# KiCad board madeline36.kicad_pcb
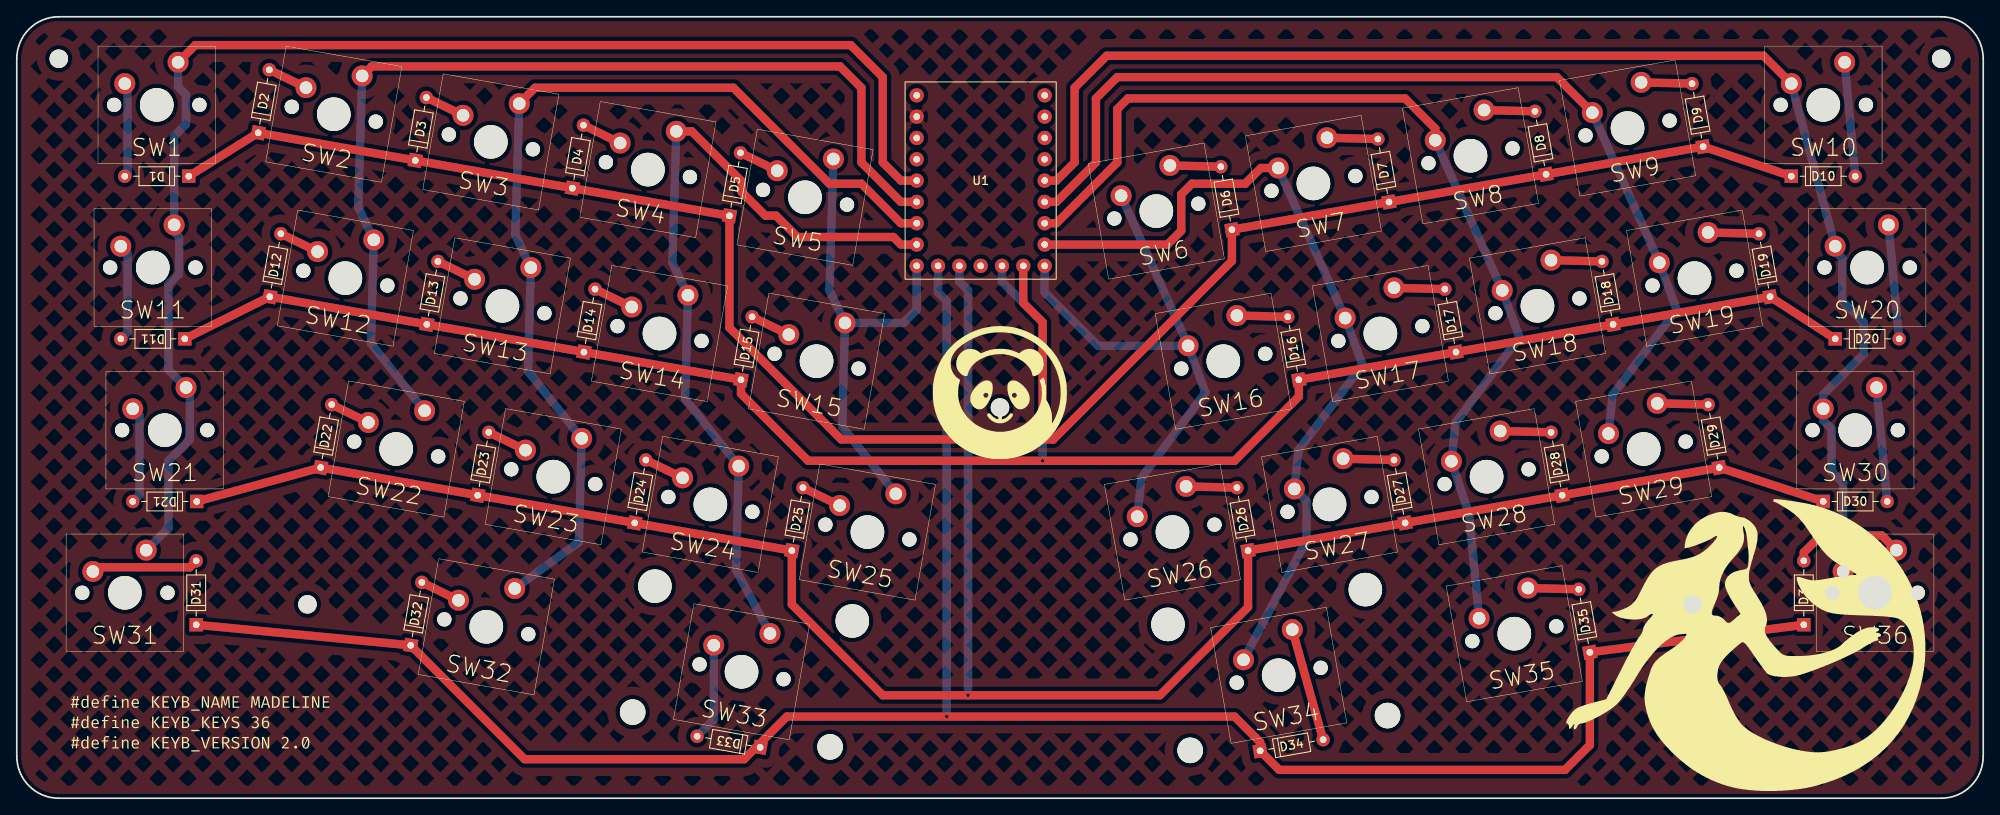
[diagram p0: board, top side]
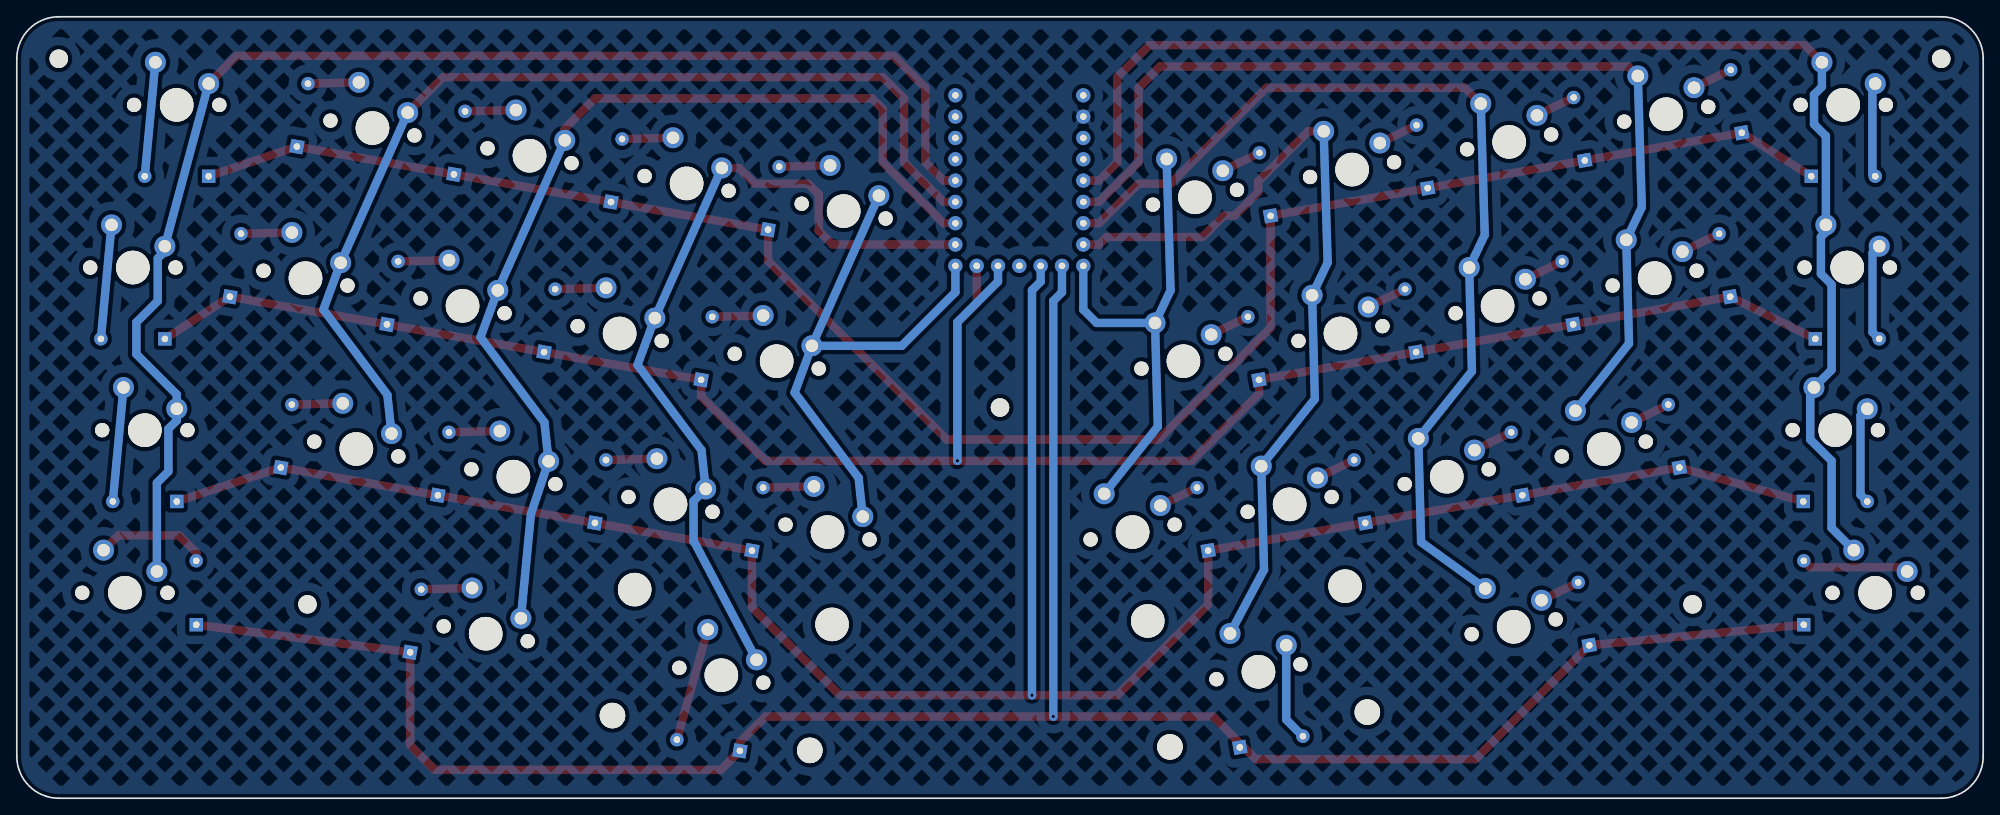
[diagram p1: board, bottom side, seen from below]

Outline 234.25 x 93.12 mm; copper layers: Top, Bottom. Coordinates in mm from the lower left corner of the outline.
Outline path: 0,88.12 0,5 arc(1.46,1.46) 5,0 229.25,0 arc(232.79,1.46) 234.25,5 234.25,88.12 arc(232.79,91.66) 229.25,93.12 5,93.12 arc(1.46,91.66) 0,88.12
Stack: Top 0.035mm / dielectric 1.51mm FR4 er 4.5 / Bottom 0.035mm

## Placement (name value [footprint] x y rotation side)
D1  -  [Diode]  20.48 74.12 180 top
D2  -  [Diode]  28.76 79.3 80 top
D3  -  [Diode]  47.47 76 80 top
D4  -  [Diode]  66.18 72.7 80 top
D5  -  [Diode]  84.89 69.4 80 top
D6  -  [Diode]  144.75 67.75 100 top
D7  -  [Diode]  163.46 71.05 100 top
D8  -  [Diode]  182.17 74.35 100 top
D9  -  [Diode]  200.89 77.65 100 top
D10  -  [Diode]  211.39 74.12 0 top
D11  -  [Diode]  20.01 54.74 180 top
D12  -  [Diode]  30.14 59.76 80 top
D13  -  [Diode]  48.85 56.46 80 top
D14  -  [Diode]  67.56 53.16 80 top
D15  -  [Diode]  86.27 49.86 80 top
D16  -  [Diode]  152.73 49.86 100 top
D17  -  [Diode]  171.44 53.16 100 top
D18  -  [Diode]  190.15 56.46 100 top
D19  -  [Diode]  208.86 59.76 100 top
D20  -  [Diode]  216.62 54.74 0 top
D21  -  [Diode]  21.44 35.36 180 top
D22  -  [Diode]  36.19 39.4 80 top
D23  -  [Diode]  54.9 36.1 80 top
D24  -  [Diode]  73.62 32.8 80 top
D25  -  [Diode]  92.33 29.5 80 top
D26  -  [Diode]  146.67 29.5 100 top
D27  -  [Diode]  165.38 32.8 100 top
D28  -  [Diode]  184.1 36.1 100 top
D29  -  [Diode]  202.81 39.4 100 top
D30  -  [Diode]  215.19 35.36 0 top
D31  -  [Diode]  21.38 20.67 90 top
D32  -  [Diode]  46.93 18.22 80 top
D33  -  [Diode]  88.55 6.06 170 top
D34  -  [Diode]  148.11 5.65 10 top
D35  -  [Diode]  187.39 17.39 100 top
D36  -  [Diode]  212.88 20.67 90 top
H1  MountingHole  [MountingHole_2.2mm_M2]  34.62 23.1 0 top
H2  MountingHole  [MountingHole_2.2mm_M2]  199.62 23.1 0 top
H3  MountingHole  [MountingHole_2.2mm_M2]  5 88.12 0 top
H4  MountingHole  [MountingHole_2.2mm_M2]  117.12 46.56 0 top
H5  MountingHole  [MountingHole_2.2mm_M2]  229.25 88.12 0 top
SW1  key  [MX-5pin]  16.67 82.62 0 top
SW2  key  [MX-5pin]  37.76 81.51 350 top
SW3  key  [MX-5pin]  56.47 78.21 350 top
SW4  key  [MX-5pin]  75.18 74.91 350 top
SW5  key  [MX-5pin]  93.9 71.61 350 top
SW6  key  [MX-5pin]  135.75 69.96 10 top
SW7  key  [MX-5pin]  154.46 73.26 10 top
SW8  key  [MX-5pin]  173.17 76.56 10 top
SW9  key  [MX-5pin]  191.88 79.86 10 top
SW10  key  [MX-5pin]  215.2 82.62 0 top
SW11  key  [MX-5pin]  16.2 63.24 0 top
SW12  key  [MX-5pin]  39.14 61.98 350 top
SW13  key  [MX-5pin]  57.85 58.68 350 top
SW14  key  [MX-5pin]  76.56 55.38 350 top
SW15  key  [MX-5pin]  95.27 52.08 350 top
SW16  key  [MX-5pin]  143.73 52.08 10 top
SW17  key  [MX-5pin]  162.44 55.38 10 top
SW18  key  [MX-5pin]  181.15 58.68 10 top
SW19  key  [MX-5pin]  199.86 61.98 10 top
SW20  key  [MX-5pin]  220.43 63.24 0 top
SW21  key  [MX-5pin]  17.62 43.86 0 top
SW22  key  [MX-5pin]  45.2 41.61 350 top
SW23  key  [MX-5pin]  63.91 38.32 350 top
SW24  key  [MX-5pin]  82.62 35.02 350 top
SW25  key  [MX-5pin]  101.33 31.72 350 top
SW26  key  [MX-5pin]  137.67 31.72 10 top
SW27  key  [MX-5pin]  156.38 35.02 10 top
SW28  key  [MX-5pin]  175.09 38.32 10 top
SW29  key  [MX-5pin]  193.8 41.61 10 top
SW30  key  [MX-5pin]  219 43.86 0 top
SW31  key  [MX-5pin]  12.88 24.48 0 top
SW32  key  [MX-5pin]  55.93 20.43 350 top
SW33  key  [MX-5pin_stab_rev]  86.34 15.07 350 top
SW34  key  [MX-5pin_stab_rev]  150.32 14.65 10 top
SW35  key  [MX-5pin]  178.39 19.6 10 top
SW36  key  [MX-5pin]  221.38 24.48 0 top
U1  -  [RP2040]  114.82 73.6 0 top

## Library data of the parts
D1-D3 D6 D8 D10 D12 D15-D18 D20-D22 D27 D29 D31 D32 D34 D36 = -: Field4: K; Field5: K
D4 D5 D7 D9 D11 D13 D14 D19 D23-D26 D28 D30 D33 D35 = -: Field4: K; Field6: K

## Footprints (pads in the part's own frame, mm; a bottom-side part is the same pattern mirrored in y, then rotated)
Diode
  rect 1.6x1.6 hole 0.8: 1(0,0)
  oval 1.6x1.6 hole 0.8: 2(7.62,0)
MountingHole_2.2mm_M2
  round 2.2 hole 2.2 unplated: (0,0)
MX-5pin
  round 1.7 hole 1.7 unplated: (-5.08,0) (5.08,0)
  round 4 hole 4 unplated: (0,0)
  round 2.5 hole 1.5: 1(2.54,5.08) 2(-3.81,2.54)
MX-5pin_stab_rev
  round 3.988 hole 3.988 unplated: (-11.938,8.255) (11.938,8.255)
  round 3.048 hole 3.048 unplated: (-11.938,-6.985) (11.938,-6.985)
  round 1.7 hole 1.7 unplated: (-5.08,0) (5.08,0)
  round 4 hole 4 unplated: (0,0)
  round 2.5 hole 1.5: 1(2.54,5.08) 2(-3.81,2.54)
RP2040
  round 1.7 hole 0.8: 0(7.62,10.16) 1(7.62,7.62) 2(7.62,5.08) 3(7.62,2.54) 4(7.62,0) 5(7.62,-2.54) 6(7.62,-5.08) 7(7.62,-7.62) 8(7.62,-10.16) 9(5.08,-10.16) 10(2.54,-10.16) 11(0,-10.16) 12(-2.54,-10.16) 13(-5.08,-10.16) 14(-7.62,-10.16) 15(-7.62,-7.62) 16(-7.62,-5.08) 17(-7.62,-2.54) 18(-7.62,0) 19(-7.62,2.54) 20(-7.62,5.08) 21(-7.62,7.62) 22(-7.62,10.16)

## Nets
GND: U1.21
c0: SW1.1 SW11.1 SW21.1 SW31.1 U1.18
c1: SW2.1 SW12.1 SW22.1 U1.17
c2: SW3.1 SW13.1 SW23.1 SW32.1 U1.16
c3: SW4.1 SW14.1 SW24.1 SW33.1 U1.15
c4: SW5.1 SW15.1 SW25.1 U1.14
c5: SW6.2 SW16.2 SW26.2 U1.8
c6: SW7.2 SW17.2 SW27.2 SW34.2 U1.7
c7: SW8.2 SW18.2 SW28.2 SW35.2 U1.6
c8: SW9.2 SW19.2 SW29.2 U1.5
c9: SW10.2 SW20.2 SW30.2 SW36.2 U1.4
l0: D31.1 D32.1 D33.1 D34.1 D35.1 D36.1 U1.13
l1: D21.1 D22.1 D23.1 D24.1 D25.1 D26.1 D27.1 D28.1 D29.1 D30.1 U1.12
l2: D11.1 D12.1 D13.1 D14.1 D15.1 D16.1 D17.1 D18.1 D19.1 D20.1 U1.10
l3: D1.1 D2.1 D3.1 D4.1 D5.1 D6.1 D7.1 D8.1 D9.1 D10.1 U1.9
Net-(D1-Pad2): D1.2 SW1.2
Net-(D2-Pad2): D2.2 SW2.2
Net-(D3-Pad2): D3.2 SW3.2
Net-(D4-Pad2): D4.2 SW4.2
Net-(D5-Pad2): D5.2 SW5.2
Net-(D6-Pad2): D6.2 SW6.1
Net-(D7-Pad2): D7.2 SW7.1
Net-(D8-Pad2): D8.2 SW8.1
Net-(D9-Pad2): D9.2 SW9.1
Net-(D10-Pad2): D10.2 SW10.1
Net-(D11-Pad2): D11.2 SW11.2
Net-(D12-Pad2): D12.2 SW12.2
Net-(D13-Pad2): D13.2 SW13.2
Net-(D14-Pad2): D14.2 SW14.2
Net-(D15-Pad2): D15.2 SW15.2
Net-(D16-Pad2): D16.2 SW16.1
Net-(D17-Pad2): D17.2 SW17.1
Net-(D18-Pad2): D18.2 SW18.1
Net-(D19-Pad2): D19.2 SW19.1
Net-(D20-Pad2): D20.2 SW20.1
Net-(D21-Pad2): D21.2 SW21.2
Net-(D22-Pad2): D22.2 SW22.2
Net-(D23-Pad2): D23.2 SW23.2
Net-(D24-Pad2): D24.2 SW24.2
Net-(D25-Pad2): D25.2 SW25.2
Net-(D26-Pad2): D26.2 SW26.1
Net-(D27-Pad2): D27.2 SW27.1
Net-(D28-Pad2): D28.2 SW28.1
Net-(D29-Pad2): D29.2 SW29.1
Net-(D30-Pad2): D30.2 SW30.1
Net-(D31-Pad2): D31.2 SW31.2
Net-(D32-Pad2): D32.2 SW32.2
Net-(D33-Pad2): D33.2 SW33.2
Net-(D34-Pad2): D34.2 SW34.1
Net-(D35-Pad2): D35.2 SW35.1
Net-(D36-Pad2): D36.2 SW36.1

Pads without a net: U1 0 1 2 3 11 19 20 22

## Via types
v1: diameter 1, hole 0.4, Top to Bottom, 3 vias

## Routing (per net, layer and track width the routed paths; a pad name or vN(x,y) marks a point on that pad's centre or on a via; arc(x,y) is an arc through that point)
c0: length 163.9
  Top w1: SW1.1 21.25,89.74 99.34,89.74 103.16,85.93 103.16,75.77 105.32,73.6 U1.18
  Bottom w1: SW1.1 19.22,84.78 20.15,83.84 20.15,80.32 18.74,78.91 SW11.1 18.74,67.48 19.34,66.88 19.34,62.49 18.06,61.22 18.06,51.04 SW21.1 ; SW31.1 18.06,32.21 18.06,40.21 20.6,42.75 20.6,47.83 20.16,48.27
c1: length 121
  Top w1: SW2.1 42.27,87.2 98.07,87.2 100.62,84.66 100.62,75.77 105.32,71.06 U1.17
  Bottom w1: SW22.1 42.19,54.18 SW12.1 40.67,70.43 SW2.1
c2: length 119.2
  Top w1: U1.16 105.32,68.52 100.62,73.23 96.81,73.23 85.38,84.66 61.74,84.66 SW3.1
  Bottom w1: SW32.1 66.96,30.52 SW23.1 60.91,50.88 SW13.1 59.38,67.13 SW3.1
c3: length 98.5
  Top w1: U1.15 105.32,65.98 104.43,66.88 93,66.88 90.45,69.42 89.19,69.42 86.36,72.24 86.36,73.51 80.4,79.47 SW4.1
  Bottom w1: SW4.1 78.09,63.83 SW14.1 79.62,47.58 SW24.1 85.67,27.22 SW33.1
c4: length 57
  Bottom w1: SW5.1 96.81,60.53 SW15.1 ; SW15.1 98.33,44.28 SW25.1 ; SW15.1 105.61,56.64 107.2,58.23 U1.14
c5: length 65.8
  Bottom w1: SW16.2 128.82,53.92 122.44,60.29 U1.8 ; SW16.2 141.59,48.34 133.97,38.18 SW26.2 ; SW16.2 SW6.2
c6: length 99.9
  Top w1: SW7.2 148.21,75.1 146.34,73.23 139.99,73.23 138.72,71.96 138.72,67.62 137.07,65.98 U1.7
  Bottom w1: SW7.2 SW17.2 160.31,51.64 152.69,41.48 SW27.2 153.63,35.41 153.63,30.6 153.52,30.49 SW34.2
c7: length 121.3
  Top w1: SW8.2 168.98,79.8 165.38,83.39 132.37,83.39 131.09,82.12 131.09,75.77 123.85,68.52 U1.6
  Bottom w1: SW35.2 173,33.86 SW28.2 171.4,44.78 179.02,54.94 SW18.2 SW8.2
c8: length 120.5
  Top w1: SW9.2 183.46,85.93 131.09,85.93 128.56,83.39 128.56,75.77 123.85,71.06 U1.5
  Bottom w1: SW29.2 190.11,48.08 197.73,58.24 SW19.2 SW9.2
c9: length 164.4
  Top w1: U1.4 123.85,73.6 126.01,75.77 126.01,84.66 129.82,88.47 208.08,88.47 SW10.2
  Bottom w1: 216.95,65.45 216.95,64.85 217.46,64.34 217.46,59.26 220,56.72 220,52.91 215.19,48.11 SW30.2 215.19,45.02 216.19,44.02 216.19,38.94 217.56,37.56 SW36.2 ; SW10.2 SW20.2
l0: length 269.5
  Top w1: D36.1 D35.1 187.39,6.34 184.44,3.38 150.38,3.38 D34.1 148.11,6.68 145.06,9.73 91.72,9.73 88.55,6.56 D33.1 88.06,6.06 86.64,4.65 60.49,4.65 D32.1 D31.1
  Bottom w1: U1.13 109.74,60.29 110.78,59.26 v1(110.78,9.73)
l1: length 270.2
  Top w1: D21.1 D22.1 D25.1 92.33,23.1 103.16,12.27 136.18,12.27 146.67,22.77 D26.1 D29.1 D30.1
  Bottom w1: v1(113.31,12.27) 113.31,60.53 112.28,61.56 U1.12
l2: length 236.4
  Top w1: D11.1 D12.1 D15.1 86.27,48.21 94.27,40.21 145.06,40.21 152.73,47.88 D16.1 D19.1 D20.1
  Bottom w1: v1(122.21,40.21) 122.21,56.72 117.36,61.56 U1.10
l3: length 247.7
  Top w1: 122.21,42.75 123.47,42.75 144.75,64.03 D6.1 D9.1 D10.1 ; 122.21,42.75 98.22,42.75 84.89,56.08 D5.1 D2.1 D1.1 ; 122.21,42.75 122.21,56.72 119.9,59.02 U1.9
Net-(D1-Pad2): length 10.8
  Bottom w1: 13.2,84.83 13.2,74.45 D1.2
Net-(D2-Pad2): length 4.9
  Top w1: D2.2 SW2.2
Net-(D3-Pad2): length 4.9
  Top w1: D3.2 SW3.2
Net-(D4-Pad2): length 4.9
  Top w1: D4.2 SW4.2
Net-(D5-Pad2): length 4.9
  Top w1: D5.2 SW5.2
Net-(D6-Pad2): length 6.1
  Top w1: SW6.1 D6.2
Net-(D7-Pad2): length 6.1
  Top w1: SW7.1 D7.2
Net-(D8-Pad2): length 6.1
  Top w1: SW8.1 D8.2
Net-(D9-Pad2): length 6.1
  Top w1: SW9.1 D9.2
Net-(D10-Pad2): length 13.6
  Bottom w1: 217.74,87.7 D10.2
Net-(D11-Pad2): length 11.7
  Bottom w1: D11.2 13.19,55.54 13.19,64.98 SW11.2
Net-(D12-Pad2): length 4.9
  Top w1: D12.2 SW12.2
Net-(D13-Pad2): length 4.9
  Top w1: D13.2 SW13.2
Net-(D14-Pad2): length 4.9
  Top w1: D14.2 SW14.2
Net-(D15-Pad2): length 4.9
  Top w1: D15.2 SW15.2
Net-(D16-Pad2): length 6.1
  Top w1: SW16.1 D16.2
Net-(D17-Pad2): length 6.1
  Top w1: SW17.1 D17.2
Net-(D18-Pad2): length 6.1
  Top w1: SW18.1 D18.2
Net-(D19-Pad2): length 6.1
  Top w1: SW19.1 D19.2
Net-(D20-Pad2): length 13.6
  Bottom w1: SW20.1 D20.2
Net-(D21-Pad2): length 11.7
  Bottom w1: SW21.2 14.61,45.6 14.61,36.16 D21.2
Net-(D22-Pad2): length 4.9
  Top w1: D22.2 SW22.2
Net-(D23-Pad2): length 4.9
  Top w1: D23.2 SW23.2
Net-(D24-Pad2): length 4.9
  Top w1: D24.2 SW24.2
Net-(D25-Pad2): length 4.9
  Top w1: D25.2 SW25.2
Net-(D26-Pad2): length 6.1
  Top w1: SW26.1 D26.2
Net-(D27-Pad2): length 6.1
  Top w1: SW27.1 D27.2
Net-(D28-Pad2): length 6.1
  Top w1: SW28.1 D28.2
Net-(D29-Pad2): length 6.1
  Top w1: SW29.1 D29.2
Net-(D30-Pad2): length 13.6
  Bottom w1: SW30.1 D30.2
Net-(D31-Pad2): length 12.1
  Top w1: D31.2 20.6,27.52 9.56,27.52
Net-(D32-Pad2): length 4.9
  Top w1: D32.2 SW32.2
Net-(D33-Pad2): length 11.7
  Bottom w1: SW33.2 83.03,9.37 D33.2
Net-(D34-Pad2): length 13.6
  Top w1: SW34.1 D34.2
Net-(D35-Pad2): length 6.1
  Top w1: SW35.1 D35.2
Net-(D36-Pad2): length 13.6
  Top w1: SW36.1 222.16,31.32 214.91,31.32 212.88,29.28 D36.2

## Copper pours and planes (outline as drawn; the poured copper is in the pictures)
GND on Top, Bottom: 234.25,88.12 232.79,91.66 229.25,93.12 5,93.12 1.46,91.66 0,88.12 0,5 1.46,1.46 5,0 229.25,0 232.79,1.46 234.25,5
